# Allegro board A733_PRO2_AXP318_LPDDR4_4X_200BALL_32X1_V1_1.brd (continued)
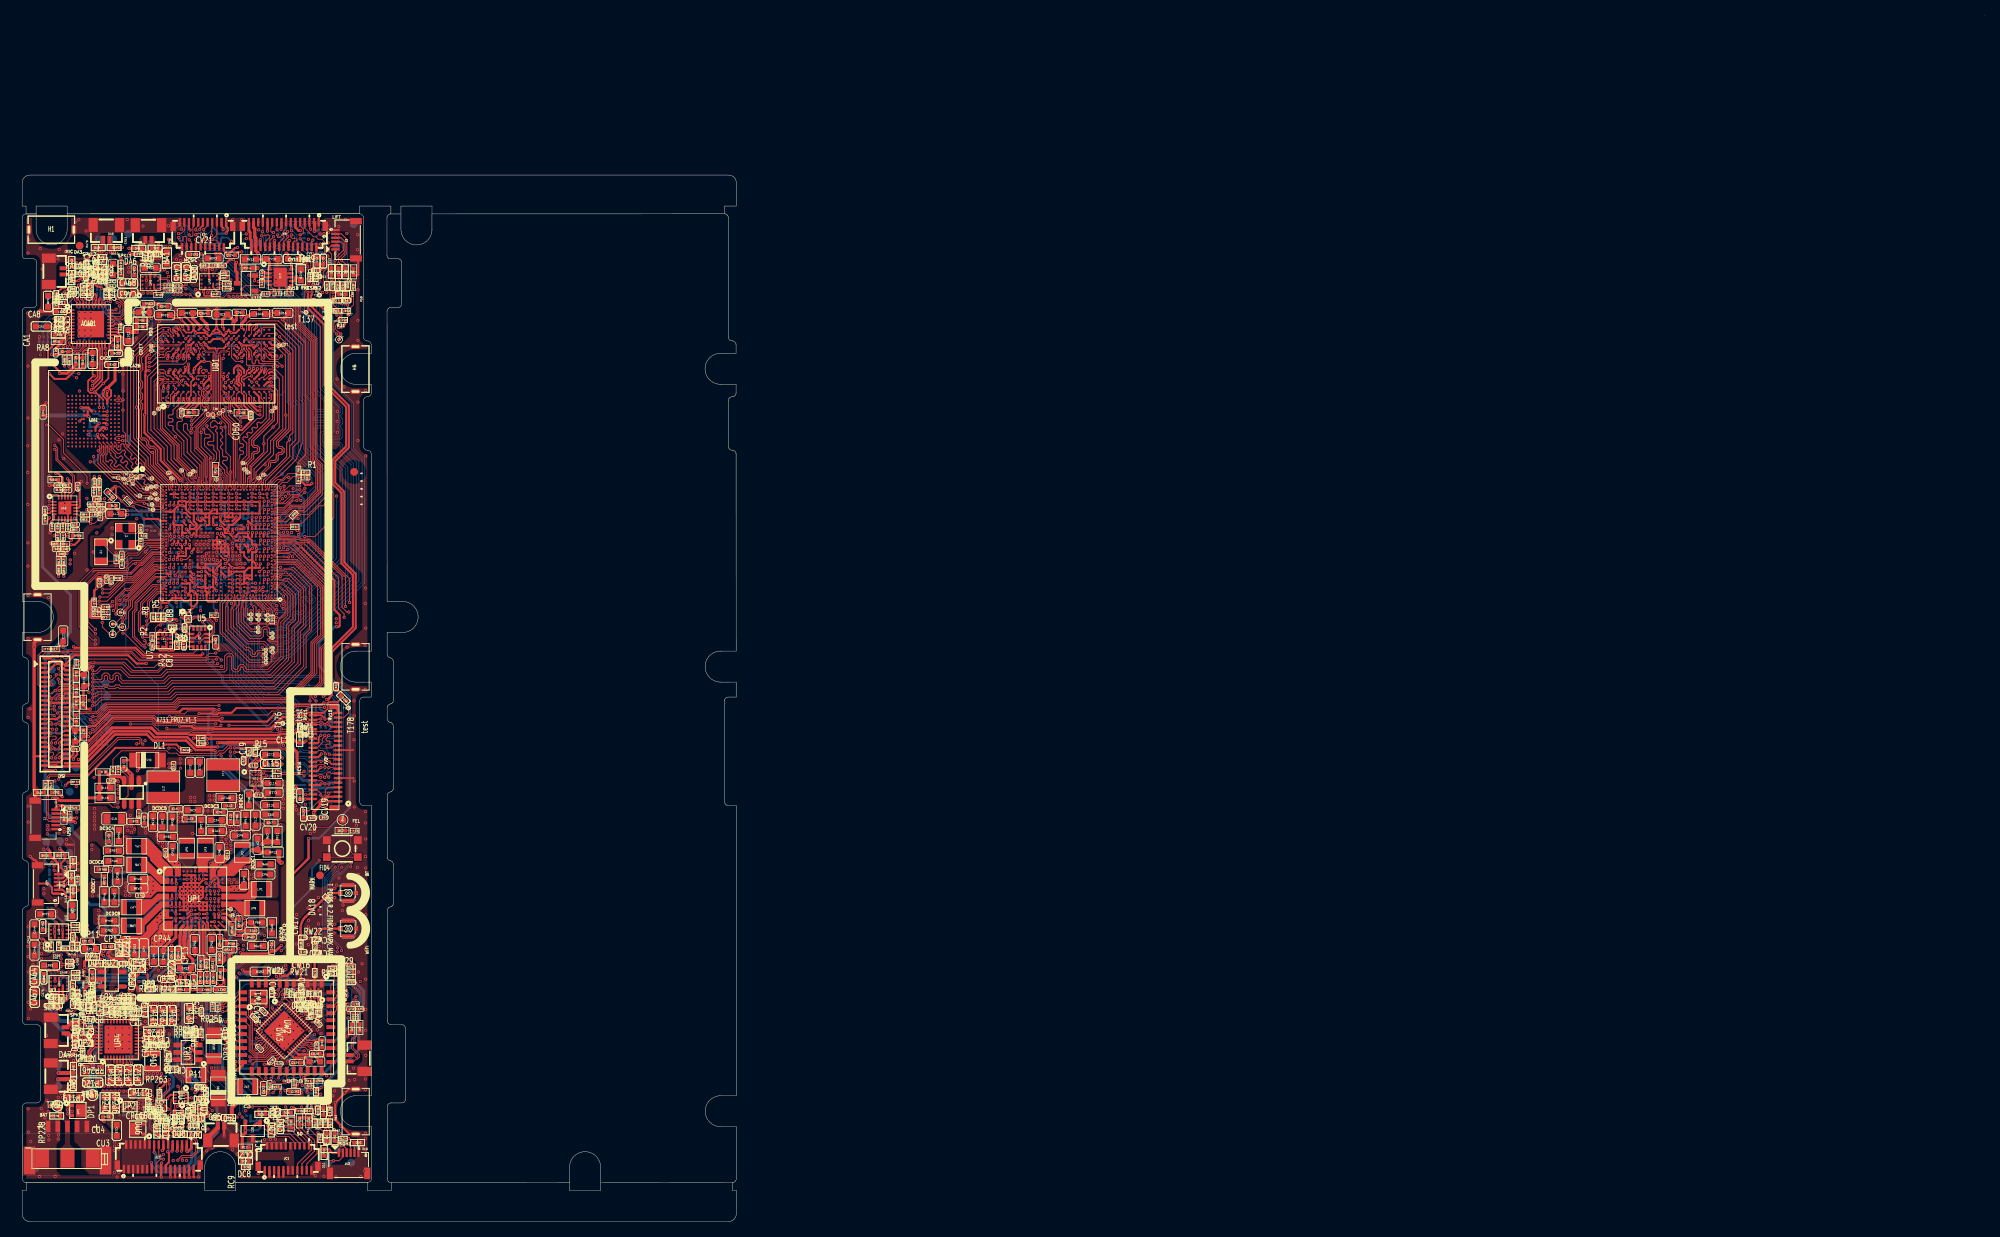
[diagram p0: board, top side]
## Placement (name value [footprint] x y rotation side) (continued)
CV22  NC  [C0201]  25.38 126.28 0 bottom
CV23  2.2uF  [C0201]  24.06 126.33 270 bottom
CV24  4.7uF  [C0402]  27.02 124.67 0 top
CV25  1uF  [C0201]  25.8 127.2 270 bottom
CV26  1uF  [C0201]  26.79 128.14 0 bottom
CW1  NC  [C0201]  37.46 26.47 0 top
CW2  1.5pF  [C0201]  36.96 28.18 180 top
CW5  NC  [C0201]  38.16 25.55 135 top
CW6  0.5pF  [C0201]  38.08 27.88 0 top
CW7  1uF  [C0201]  39.53 27.24 0 bottom
CW8  1uF  [C0201]  39.52 26.58 0 bottom
CW9  4.7uF  [C0402]  38.67 22.95 270 top
CW10  1uF  [C0201]  39.11 23.66 90 bottom
CW11  1uF  [C0201]  32.18 29.58 270 top
CW12  1uF  [C0201]  37.95 22.59 270 top
CW13  1uF  [C0201]  31.14 27.1 315 top
CW15  NC/5.6pF  [C0201]  26.17 24.15 90 top
CW16  NC  [C0201]  36.16 34.78 180 top
CW17  NC  [C0201]  36.16 36.65 180 top
CW19  10uF  [C0603]  30.69 32.23 180 top
CW20  NC  [C0201]  37.96 34.7 180 top
CW21  NC  [C0201]  37.96 36.41 180 top
CW22  4.7uF  [C0402]  35.01 16.76 180 top
CW23  NC/4.7uF  [C0402]  31.12 17.17 90 top
CW24  4.7uF  [C0402]  35.4 20.5 0 top
CW25  1uF  [C0201]  33.07 20.35 180 top
CW26  1uF  [C0201]  29.93 26.3 135 top
CW27  1uF  [C0201]  30.61 22.35 315 top
CW28  1uF  [C0201]  32.15 20.73 45 top
CW29  4.7uF  [C0402]  37.94 21.64 0 top
CW30  NC  [C0201]  35.67 27.98 180 top
CW31  1pF  [C0201]  35.67 29.22 0 top
CW32  10pF  [C0201]  35.92 30.1 270 top
D1  PT2C051N  [ESD0402]  41.31 119.63 0 top
D2  PT2C051N  [ESD0402]  40.81 122.56 90 top
D3  PT2C051N  [ESD0402]  41.65 122.53 90 top
D4  PT2C051N  [ESD0402]  42.71 122.52 90 top
D5  PT2C051N  [ESD0402]  39.87 122.6 90 top
D6  XBS104S14  [SOD180_270H110]  25.27 17.2 270 top
D7  PT2C051N  [ESD0402]  38.84 14.18 270 top
D8  PT2C051N  [ESD0402]  39.29 10.84 270 top
D9  PT2C051N  [ESD0402]  40.3 10.83 270 top
D10  PT2C051N  [ESD0402]  43.22 10.17 180 top
D11  PT2C051N  [ESD0402]  38.93 8.92 270 top
D12  PT2C051N  [ESD0402]  41.24 50.43 0 top
DA1  ESD5451X-2/TR/NC  [ESD0402]  43.53 25.04 90 top
DA2  ESD5451X-2/TR/NC  [ESD0402]  42.49 25.03 90 top
DA3  ESD5451X-2/TR  [ESD0402]  6.4 123.61 270 top
DA4  ESD5451X-2/TR  [ESD0402]  6.4 121.76 90 top
DA5  PT2C051N  [ESD0402]  17.14 125.56 180 top
DA6  PT2C051N  [ESD0402]  15.04 125.55 0 top
DA7  PT2C051N  [ESD0402]  6.62 19.64 270 top
DA8  PT2C051N  [ESD0402]  6.62 17.76 90 top
DA9  PT2C051N  [ESD0402]  9.8 125.65 0 top
DA10  PT2C051N  [ESD0402]  11.85 125.66 180 top
DA11  PT2C051N  [ESD0402]  6.92 25.26 90 top
DA12  PT2C051N  [ESD0402]  6.87 23.31 90 top
DA13  ESD5451X-2/TR  [ESD0402]  6.58 46.2 270 top
DA14  ESD5451X-2/TR  [ESD0402]  6.36 44.32 270 top
DA15  ESD5451X-2/TR  [ESD0402]  3.17 47.22 0 top
DA16  ESD5451X-2/TR  [ESD0402]  6.6 42.4 270 top
DA17  ESD5451X-2/TR  [ESD0402]  5.09 47.22 0 top
DA18  PESDEC2XD5VBF  [ESD0201]  39.28 41.7 135 top
DC1  NC/PT2C051N  [ESD0402]  34.68 12.56 270 top
DC2  PT2C051U  [ESD0402]  36.96 12.98 270 top
DC3  PT2C051U  [ESD0402]  33.26 12.24 270 top
DC4  PT2C051N  [ESD0402]  35.77 12.97 270 top
DC5  PT2C051N  [ESD0402]  30.91 13.83 0 top
DC6  PT2C051N  [ESD0402]  34.23 14.03 0 top
DC7  PT2C051U  [ESD0402]  32.11 11.81 270 top
DC8  PT2C051U  [ESD0402]  28.78 7.8 0 top
DL1  DSK24  [SOD180_270H110]  16.16 59.54 180 top
DL2  PT2C051N  [ESD0402]  7.91 67 90 top
DL3  PT2C051N  [ESD0402]  6.97 66.75 270 top
DL4  PT2C051N  [ESD0402]  6.99 64.89 90 top
DL5  PT2C051N  [ESD0402]  6.99 70.48 270 top
DL6  PT2C051N  [ESD0402]  6.99 68.63 90 top
DL7  PT2C051N  [ESD0402]  7.92 63 270 top
DP1  PTVSHC3N4V5B  [DFN3P130B200_200H65]  7.18 14.33 90 top
DP2  LED-0402-G/NC  [LED0402]  8.24 23 0 top
DP3  DSK24  [SOD180_270H110]  24.72 22.68 90 top
DU1  PT2C051N  [ESD0402]  5.39 52.16 90 top
DU2  PT2C051U  [ESD0402]  4.27 55.34 180 top
DU3  PT2C051U  [ESD0402]  2.36 55.34 0 top
DU4  PT2C051N  [ESD0402]  9.49 33.26 0 top
DU6  PTVSHC3N18VU  [DFN3P130B200_200H65]  14.91 11.93 270 top
DU7  PT2C051N  [ESD0402]  22.21 11.24 180 top
DU8  PT2C051N  [ESD0402]  20.35 11.24 0 top
DU9  PT2C051N  [ESD0402]  23.07 15.71 0 top
DU10  PT2C051N  [ESD0402]  22.65 13.25 0 top
DU11  PT2C051N  [ESD0402]  18.5 11.68 270 top
DU12  PT2C051N  [ESD0402]  17.37 11.67 270 top
FID1  MARK  [FIDICALMARK]  13.67 127.43 270 bottom
FID2  MARK  [FIDICALMARK]  6.75 18.68 270 bottom
FID3  MARK  [FIDICALMARK]  42.43 7.61 270 bottom
FID4  MARK  [FIDICALMARK]  38.4 44.67 270 top
H1  HOLE-C9  [KEZI]  3.77 127.97 180 top
H2  HOLE-C9  [KEZI]  43 14.18 270 top
H3  HOLE-C9  [KEZI]  1.98 77.97 90 top
H4  HOLE-C9  [KEZI]  42.98 71.56 90 top
H5  HOLE-C9  [KEZI]  42.97 109.98 270 top
J1  -  [FPC6-0_3-2_5X4_5H1_0L]  2.92 51.9 270 top
J2  CON6  [FPC6-0_3-2_5X4_5H1_0L]  41.79 126.66 90 top
J3  CON5  [CA0103021-R]  39.48 103.08 90 top
J4  CON5  [CA0103021-R]  1.7 85.18 90 top
J5  CON5  [CA0103021-R]  30.45 33.84 180 top
J6  CON5  [CA0103021-R]  18.25 28.87 180 top
J7  CON5  [CA0103021-R]  41.17 23.65 90 top
J8  CON5  [CA0103021-R]  34.56 50.56 270 top
J9  CON5  [CA0103021-R]  23.19 118.55 0 top
J10  CON5  [CA0103021-R]  8 48.76 90 top
J11  MOTOR AC  [WF_080_2P]  25.64 12.35 0 top
J12  CON6  [FPC6-0_3-2_5X4_5H1_0L]  42.09 7.46 0 top
J13  CON5  [CA0103021-R]  32.81 15.61 0 top
J14  CON5  [CA0103021-R]  1.7 107.55 270 top
JA1  MIC/NC  [WF_080_2P]  42.23 21.06 90 top
JA2  MIC  [WF_080_2P]  5.33 122.59 270 top
JA3  SPK  [WF_080_2P]  16.28 126.66 180 top
JA4  SPK  [WF_080_2P]  5.6 18.76 270 top
JA5  SPK  [WF_080_2P]  10.86 126.68 180 top
JA6  SPK  [WF_080_2P]  5.59 24.66 270 top
JA7  -  [FPC6-0_3-2_5X4_5H1_0L]  3.24 43.56 270 top
JC1  FPC-21P-0.3MM  [FH26-21S]  36.98 8.3 0 top
JL1  CON45PIN_LCM  [45PIN_UD_FPC_863]  2.83 72.03 270 top
JP1  5P_1.25MM  [CON-R5S-P1_3-H1_5-R]  5.84 12.26 270 top
JP2  NC/J_BAT_TS  [BAT_SMD-3]  5.83 8.1 180 top
JU1  CON31  [FH26-31S]  17.61 8.46 0 top
JV1  HEADER 31_0  [FH26-31S]  33.73 127.23 180 top
JV2  FPC-39P-0.3MM  [PFC41P60B13500_350H100]  39.06 59.92 90 top
JV3  FPC-21P-0.3MM  [FH26-21S]  20.61 127.23 180 top
JW1  ANT-IPX  [RF-CD-ARF003-P01A-PAD10]  42 42.39 270 top
JW2  ANT-IPX  [RF-CD-ARF003-P01A-PAD10]  42.02 37.8 270 top
K1  UPDATA  [KEY_3X3]  41.28 48.11 180 top
LL1  4.7uH@2A DCR<0.1R  [LP400_400H180]  25.92 57.59 270 top
LL2  10uH@1A DCR<0.1R  [LP400_400H180]  18.19 56.03 90 top
LP1  1uH-4A  [LP200_250H100]  30.84 42.87 0 top
LP2  1uH-5A  [LP200_250H100]  28.38 47.61 90 top
LP3  0.47uH-5A  [LP200_250H100]  23.63 48.17 90 top
LP4  0.47uH-5A  [LP200_250H100]  14.75 48.42 180 top
LP5  0.47uH-5A  [LP200_250H100]  21.22 48.15 90 top
LP6  1uH-4A  [LP200_250H100]  14.76 46.01 180 top
LP7  1uH-4A  [LP200_250H100]  14.12 40.56 180 top
LP8  1uH-4A  [LP200_250H100]  14.1 38.15 180 top
LP9  1uH-4A  [LP200_250H100]  29.98 40.44 0 top
LP10  1uH-3A/1uH-5A  [LP200_250H100]  16.81 20.71 270 top
LP11  4.7uH-2A  [LP200_250H100]  22.41 18.9 0 top
LU1  NC/CMF0806UD900MFR  [LC4B120_200H120]  20.15 13.2 270 top
LW1  4.7uH  [L0603]  37.73 20.64 180 top
LW2  NC/2.2uH  [LP200_250H100]  29.07 17.4 0 top
LW3  1.4nH  [L0201]  39.5 25.86 0 bottom
LW4  1.2nH  [L0201]  36.25 27.35 0 top
LW5  1.5nH  [L0201]  35.67 28.61 180 top
NOREF  -  [#2]  1.8 130 0 top
NOREF#2  -  [#2]  -4.19 9.8 0 top
NOREF#3  -  [#2]  8.51 9.8 270 top
QC1  STS2301  [SOT3P95B130_290H103]  29.72 11.68 270 top
QV1  SI2300  [SOT23]  28.85 121.05 90 top
R1  NC/47K-1%  [R0201]  36.55 96.65 0 top
R2  NC/10K-1%  [R0201]  17.55 77.95 90 top
R3  NC/47K-1%  [R0201]  36.55 95.99 180 top
R4  NC/1K-1%  [R0201]  35.62 95.76 90 top
R5  10K-1%  [R0201]  18.23 77.95 90 top
R6  NC/1K-1%  [R0201]  35.62 96.9 270 top
R7  NC-1%  [R0201]  17.97 78.43 270 bottom
R8  NC/10K-1%  [R0201]  16.89 77.96 90 top
R9  3.9K-1%  [R0201]  18.63 78.45 270 bottom
R10  NC-1%  [R0201]  18.36 82.22 90 bottom
R11  0R  [R0201]  19.67 82.84 180 bottom
R12  10K-1%  [R0201]  18.35 83.37 90 bottom
R13  NC-1%  [R0201]  19.25 83.69 0 bottom
R14  200R-1%  [R0201]  20.47 80.22 90 bottom
R15  NC/1K  [R0201]  18.24 91.38 270 bottom
R17  0R  [R0201]  20.45 89.72 180 bottom
R18  10M  [R0201]  12.14 85.44 270 top
R19  0R  [R0201]  15.54 88.48 180 top
R21  NC  [R0201]  10.76 77.98 0 top
R22  0R  [R0201]  10.78 78.64 0 top
R23  NC  [R0201]  9.29 79.89 270 top
R24  0R  [R0201]  9.56 78.34 0 top
R25  NC/5.6K-1%  [R0201]  40.64 120.68 90 top
R26  NC/10K-1%  [R0201]  41.31 120.68 90 top
R27  10K-1%  [R0201]  40.61 118.81 0 top
R28  1K  [R0201]  42.68 120.68 90 top
R29  1K  [R0201]  39.28 120.71 90 top
R30  NC/10K  [R0201]  35 90.96 90 bottom
R31  NC/10K  [R0201]  41.4 116.32 180 top
R32  NC/10K  [R0201]  35.96 90.08 90 bottom
R33  NC/10K  [R0201]  33.69 90.18 180 bottom
R34  1K  [R0201]  42.89 50.43 180 top
R36  0R  [R0201]  20.69 75.27 0 top
R37  0R  [R0201]  23.1 76.78 180 bottom
R38  2K  [R0201]  38.5 63.5 270 bottom
R39  2K  [R0201]  39.15 63.49 270 bottom
R40  2.2R  [R0402]  26.6 13.4 180 top
R42  NC/0R  [R0201]  19.93 74.34 270 top
R43  4.7K  [R0201]  19.39 76.64 180 top
R44  NC/10K  [R0201]  18.48 77.14 0 bottom
R46  0R  [R0201]  16.78 75.47 90 top
R48  200R-1%  [R0201]  21.1 80.24 90 bottom
R49  10K-1%  [R0201]  37.88 16.75 270 top
R50  NC/5.6K-1%  [R0201]  38.43 12.67 270 top
R51  NC/10K-1%  [R0201]  39.11 12.68 270 top
R52  1K  [R0201]  41.35 10.69 0 top
R53  1K  [R0201]  38.44 10.73 270 top
R57  1K  [R0201]  39.98 120.7 270 top
R58  1K  [R0201]  42.02 120.68 270 top
R59  10K  [R0201]  41.81 117.48 180 top
R60  10K  [R0201]  40.64 117.51 0 top
R61  1K  [R0201]  37.73 12.67 90 top
R62  1K  [R0201]  39.73 12.68 90 top
R63  10K  [R0201]  39.64 14.2 270 top
R64  10K  [R0201]  36.94 14.25 0 top
R66  NC/3.01K-1%  [R0201]  22.66 81.17 90 bottom
R67  200R-1%  [R0201]  20.23 79.29 180 bottom
R68  NC/3.01K-1%  [R0201]  23.54 80.71 180 bottom
R70  75R  [R0201]  16.07 91.45 90 bottom
R71  75R  [R0201]  16.75 91.45 90 bottom
R72  0R  [R0201]  21.74 83.62 270 bottom
R73  NC  [R0201]  24.62 83.46 90 bottom
R74  0R  [R0201]  24.72 78.22 0 top
R75  0R  [R0201]  25.38 82.94 225 bottom
RA1  0R  [R0201]  33.68 89.47 180 bottom
RA2  0R  [R0201]  34.91 93.8 270 bottom
RA3  0R  [R0201]  32.68 94.3 180 bottom
RA4  0R  [R0201]  32.68 93.69 180 bottom
RA5  1K  [R0201]  4.39 119.54 90 top
RA6  220K/NC  [C0201]  7.39 113.48 270 bottom
RA7  1.5K  [R0201]  5.3 119.28 0 top
RA8  0R/4.7uF  [R0402]  4.65 114.41 180 top
RA9  0R/NC  [R0402]  7.81 111.01 90 top
RA10  NC/0R  [R0402]  6.91 111.01 270 top
RA11  1.5K  [R0201]  5.3 118.62 0 top
RA12  NC/47K  [R0201]  9.66 119.97 90 bottom
RA13  1K  [R0201]  4.41 118.36 270 top
RA14  NC/1M  [R0201]  9.91 120.9 180 bottom
RA15  0R/NC  [R0402]  12.32 113.34 90 top
RA16  0R/NC  [R0402]  4.65 113.56 0 top
RA17  NC/10K  [R0201]  8.95 119.97 90 bottom
RA18  0R/NC  [R0402]  7.95 120.1 270 top
RA19  1K  [R0201]  12.73 123.49 90 top
RA20  NC/0R  [R0201]  8.28 119.94 90 bottom
RA21  1.5K  [R0201]  10.36 123.17 180 top
RA23  1.5K  [R0201]  10.36 122.56 180 top
RA25  1K  [R0201]  12.74 122.35 270 top
RA26  0R  [R0201]  4.78 115.16 180 top
RA27  2K  [R0201]  10.85 119.77 90 bottom
RA28  2K  [R0201]  11.58 119.77 90 bottom
RA29  2K  [R0201]  12.71 115.23 270 top
RA30  2K  [R0201]  4.85 117.29 0 bottom
RA31  1K  [R0201]  2.7 115.09 270 bottom
RA32  1K  [R0201]  3.37 115.09 270 bottom
RA33  NC/100K  [R0201]  3.21 47.55 180 bottom
RA34  22R  [R0201]  4.97 44.55 0 bottom
RA35  22R  [R0201]  3.51 44.45 90 bottom
RA36  0R/NC  [R0201]  5.09 46.52 0 bottom
RA39  47K  [R0201]  3.55 39.19 0 bottom
RA40  47K  [R0201]  24.98 119.66 0 top
RA41  0R  [R0201]  7.12 35.48 90 top
RA42  0R  [R0201]  26.37 121 180 top
RA43  0R  [R0201]  4.72 35.51 270 top
RA44  0R  [R0201]  16.61 124.47 90 top
RA45  0R  [R0201]  6.46 35.5 90 top
RA46  0R  [R0201]  26.37 120.36 180 top
RA47  0R  [R0201]  15.84 124.55 90 top
RA48  0R  [R0201]  3.73 35.51 270 top
RA49  47K  [R0201]  17.52 119.54 180 top
RA50  47K  [R0201]  4.95 31.37 270 bottom
RA51  0R  [R0201]  7.14 29.32 90 top
RA52  0R  [R0201]  4.4 28.74 270 top
RA53  0R  [R0201]  18.84 120.77 180 top
RA54  0R  [R0201]  11.37 124.23 90 bottom
RA55  0R  [R0201]  6.48 29.34 90 top
RA56  0R  [R0201]  3.75 28.75 270 top
RA57  0R  [R0201]  18.84 120.13 180 top
RA58  0R  [R0201]  10.45 124.28 90 bottom
RA59  0R  [R0402]  6.95 88.5 180 top
RA60  0R  [R0402]  4.22 95.71 0 top
RA61  2K-1%  [R0201]  5.54 87.42 0 top
RA62  20K-1%  [R0201]  5.36 85.24 90 top
RA63  20K-1%  [R0201]  4.69 85.24 90 top
RA64  51K  [R0201]  2.93 90.53 270 top
RA65  2K-1%  [R0201]  4.37 87.45 0 top
RA66  2K-1%  [R0201]  10.21 92.56 0 top
RA67  20K-1%  [R0201]  9.93 94.15 270 top
RA68  20K-1%  [R0201]  9.25 94.15 270 top
RA69  2K-1%  [R0201]  9 92.53 0 top
RA72  0R  [R0201]  4.73 41.68 0 bottom
RA73  0R  [R0201]  4.59 47.24 0 bottom
RA74  0R  [R0201]  3.2 46.85 0 bottom
RA75  0R  [R0201]  4.99 45.83 0 bottom
RA76  0R  [R0201]  7.13 43.97 270 top
RA77  0R  [R0201]  10.35 123.81 0 top
RA78  0R  [R0201]  10.36 121.92 0 top
RA79  NC/0R  [R0201]  10.35 124.44 0 top
RA80  NC/0R  [R0201]  10.36 121.28 0 top
RA81  0R/NC  [R0201]  5.26 89.54 270 top
RA82  0R/NC  [R0201]  4.56 89.54 270 top
RA83  0R/NC  [R0201]  8.11 90.56 0 top
RA84  0R/NC  [R0201]  8.11 91.22 0 top
RA85  NC/0R  [R0201]  5.11 114.79 90 bottom
RA86  NC/0R  [R0201]  4.44 114.79 90 bottom
RA87  NC  [R0201]  6.11 111.16 90 top
RA88  NC  [R0201]  5.46 111.15 90 top
RA89  47K  [R0201]  23.52 123.34 0 top
RA90  1K  [R0201]  26.14 122.34 0 top
RA91  1K  [R0201]  26.14 121.73 0 top
RA92  47K  [R0201]  16.35 122.91 180 bottom
RA93  0R  [R0201]  6.85 37.6 180 top
RA94  0R  [R0201]  6.85 38.26 180 top
RA95  47K  [R0201]  5.2 38.53 270 bottom
RA96  0R  [R0201]  6.88 31.44 180 top
RA97  0R  [R0201]  6.88 32.1 180 top
RA98  47K  [R0201]  5.09 28.73 90 top
RA99  33R  [R0201]  35.01 91.18 225 top
RA100  33R  [R0201]  43.26 26.53 90 top
RA101  33R  [R0201]  42.65 26.53 90 top
RA102  33R  [R0201]  7.36 123.21 0 top
RA103  33R  [R0201]  7.36 122.2 0 top
RC1  33R  [R0201]  35.14 89.62 0 top
RC2  NC/2.2R  [R0402]  28.81 9.59 0 top
RC3  NC/47K  [R0201]  32.95 14.01 90 top
RC4  NC/10K  [R0201]  35.77 14.25 180 top
RC5  100K  [R0201]  30.5 13.61 180 bottom
RC6  1K  [R0201]  32.27 14.01 270 top
RC7  1K  [R0201]  29.19 13.65 0 bottom
RC8  10K  [R0201]  29.19 12.94 180 bottom
RC9  10K  [R0201]  28.85 7.01 180 top
RD1  0R  [R0402]  21.79 104.37 0 top
RD2  0R  [R0402]  28.22 104.34 180 top
RD3  240R-1%  [R0402]  15.21 115.47 180 top
RD4  240R-1%  [R0402]  15.21 116.28 180 top
RD5  120R-1%  [R0402]  24.91 97.03 90 top
RL5  100K  [R0201]  29.21 60.63 90 top
RL7  100K  [R0201]  30.06 60.59 270 top
RL8  0R  [R0201]  11.7 58.19 270 top
RL9  0R  [R0402]  10.38 58 180 top
RL11  4.42R-1%  [R0603]  10.68 55.95 0 top
RL13  1M  [R0201]  12.36 58.2 270 top
RL15  0R  [R0201]  32.84 57.48 0 top
RL16  4.42R-1%  [R0603]  10.69 54.66 0 top
RL17  0R  [R0201]  32.84 58.1 0 top
RL18  NC/15K-1%  [R0201]  9.63 61.8 270 bottom
RL19  NC/12K-1%  [R0201]  6.7 63.55 180 bottom
RL20  NC/12K-1%  [R0201]  7.89 63.14 0 bottom
RL21  NC/12K-1%  [R0201]  6.74 65.39 180 bottom
RL22  NC/15K-1%  [R0201]  5.57 64.77 0 bottom
RL23  NC/15K-1%  [R0201]  6.5 64.48 270 bottom
RL24  NC  [R0201]  5.58 73.52 0 bottom
RL25  NC  [R0201]  6.87 71.73 90 bottom
RL26  NC  [R0201]  6.7 73.15 180 bottom
RL27  NC  [R0201]  4.3 73.87 0 top
RL30  0R  [R0201]  5.89 71.18 180 bottom
RL31  0R  [R0201]  5.89 72.44 180 bottom
RL32  NC  [R0201]  5.89 71.8 180 bottom
RL33  NC  [R0201]  5.89 70.53 180 bottom
RL34  2K  [R0201]  5.6 67.84 180 bottom
RL35  2K  [R0201]  5.6 67.23 180 bottom
RL36  NC  [R0201]  3.69 68.05 225 bottom
RL37  NC  [R0201]  5.39 68.83 90 bottom
RL38  NC  [R0201]  10.95 61.8 90 bottom
RL42  NC/15K-1%  [R0201]  10.27 61.8 270 bottom
RL43  NC/12K-1%  [R0201]  7.84 64.85 0 bottom
RL44  0R  [R0201]  3.12 73.87 180 top
RL45  0R  [R0201]  6.99 71.93 270 top
RL47  15K-1%  [R0201]  3.94 72.77 315 bottom
RL48  12K-1%  [R0201]  4.97 72.11 270 bottom
RM1  33R  [R0201]  13.67 92.99 135 top
RM2  0R  [R0201]  9.23 104.43 270 bottom
RM3  0R  [R0201]  10.05 98.87 0 bottom
RM4  NC/10K  [R0201]  11.04 105.45 90 bottom
RM5  NC/10K  [R0201]  10.14 105.66 180 bottom
RM6  NC/10K  [R0201]  9.34 103.29 270 bottom
RM9  NC/200R-1%  [R0201]  19.31 89.72 180 bottom
RP2  NC  [R0201]  23.03 62.39 180 top
RP3  10K  [R0201]  8.86 28.6 0 top
RP4  0.01R-1%  [R0402]  9.09 34.14 0 top
RP5  0R  [R0201]  9.22 27.74 90 top
RP6  0.01R-1%  [R0603]  31.34 46.1 180 top
RP7  NC  [R0201]  6.84 56.7 0 top
RP8  NC/10K  [R0201]  8.85 29.27 0 top
RP9  2.2K  [R0201]  16.45 30.62 0 top
RP10  2.2K  [R0201]  16.45 29.93 0 top
RP11  0.01R-1%  [R0603]  32.91 49.67 90 top
RP13  0.01R-1%  [R0603]  32.36 47.62 0 top
RP14  0.01R-1%  [R0603]  28.82 51.76 90 top
RP15  0.01R-1%  [R0402]  10.24 45.44 180 top
RP17  0.01R-1%  [R0603]  23.08 51.1 90 top
RP19  0.01R-1%  [R0201]  8.47 25.22 180 top
RP20  NC  [R0402]  10.59 44.12 90 top
RP21  NC  [R0201]  19.62 43.09 0 bottom
RP22  0.01R-1%  [R0402]  19.3 32.65 90 top
RP23  0.01R-1%  [R0402]  15.02 32.55 0 top
RP24  0.01R-1%  [R0603]  12.48 49.81 90 top
RP28  NC  [R0402]  12.48 35.09 270 top
RP29  0.01R-1%  [R0402]  23.03 33.43 90 top
RP30  0.01R-1%  [R0603]  19.38 51.53 90 top
RP32  0.01R-1%  [R0201]  23.79 33.27 90 top
RP33  0.01R-1%  [R0402]  24.57 33.34 90 top
RP36  0.01R-1%  [R0402]  26.78 35.85 180 top
RP38  0.01R-1%  [R0402]  25.55 32.02 90 top
RP39  0.01R-1%  [R0201]  21.01 60.83 180 top
RP41  0.01R-1%  [R0603]  11.81 46.52 180 top
RP42  NC  [R0402]  23.45 29.92 180 top
RP45  0.01R-1%  [R0603]  10.6 41.88 90 top
RP49  NC  [R0603]  11.2 38.82 180 top
RP50  0.01R-1%  [R0201]  23.03 61.7 180 top
RP53  0.01R-1%  [R0402]  20.73 29.91 0 top
RP54  0.01R-1%  [R0603]  32.2 37.9 270 top
RP55  NC  [R0201]  26.88 42.14 180 bottom
RP56  0.01R-1%  [R0402]  27.06 37.85 90 top
RP57  NC  [R0201]  23.52 43.01 180 bottom
RP127  0.01R-1%  [R0603]  26.3 54.65 180 top
RP220  0.01R  [R0402]  13.37 35.1 270 top
RP225  0R  [R0201]  12.81 13.7 0 bottom
RP228  NC/10K  [R0402]  4.45 13.63 0 top
RP234  10K  [R0201]  14.27 14.96 180 bottom
RP236  NC/0.01R  [R0603]  11.93 15.3 270 top
RP237  NC  [R0201]  14.02 13.73 0 bottom
RP240  NC/0.01R  [R0603]  10.65 15.31 270 top
RP242  0.01R-1%  [R0402]  18.83 29.88 0 top
RP243  0R  [R0201]  8.74 26.16 180 top
RP244  0R  [R0201]  7.87 27.73 90 top
RP245  2K  [R0201]  7.79 21.75 90 top
RP246  0.01R-1%-0805  [RA6P45B125_200H60]  9.15 19.6 180 top
RP247  0R  [R0201]  13.47 21.07 90 bottom
RP248  0R  [R0201]  14.08 21.07 90 bottom
RP249  NC/0R  [R0402]  10.03 27.46 270 top
RP250  NC/0R  [R0201]  18.04 22.73 0 top
RP251  NC/470R  [R0201]  13.62 27.18 270 top
RP252  NC/470R  [R0201]  12.93 27.17 270 top
RP253  NC  [R0603]  16.98 24.5 180 top
RP254  10K  [R0201]  21.33 23.99 0 top
RP255  150K-1%  [R0201]  23.02 24.28 270 top
RP256  20K-1%  [R0201]  22.33 24.29 90 top
RP257  NC  [R0201]  18.9 21.16 90 top
RP258  0R  [R0201]  21.33 24.69 0 top
RP259  NC/0R  [R0201]  18.02 13.56 180 top
RP261  NC/0R  [R0201]  16.47 14.52 180 top
RP263  10K  [R0201]  17.7 16.46 270 top
RP265  0R  [R0201]  11.53 27.23 270 top
RP266  0R  [R0201]  12.17 27.22 270 top
RP267  NC  [R0201]  24.67 44.88 45 bottom
RP268  NC  [R0201]  23.83 45.35 90 bottom
RP269  NC  [R0201]  20.64 44.16 180 bottom
RP270  NC  [R0201]  22.52 45.16 0 bottom
RP271  10K  [R0201]  10.84 119.77 270 top
RP272  10K  [R0201]  11.58 119.77 270 top
RU1  47K  [R0201]  6.12 52.34 90 top
RU2  NC/0R  [R0402]  11.35 33.27 0 top
RU3  5.1R  [R0201]  3.01 56.37 90 top
RU4  5.1R  [R0201]  3.68 56.37 90 top
RU5  1K  [R0201]  6.81 53.4 0 top
RU6  NC  [R0201]  5.63 53.42 180 top
RU7  100K  [R0201]  11.21 28.49 225 top
RU8  6K8-1%  [R0201]  9.1 30.25 90 top
RU9  0R  [R0201]  23.69 16.71 90 top
RU10  0R  [R0201]  22.2 12.4 180 top
RU11  5.1R  [R0201]  19.68 13.18 90 top
RU12  5.1R  [R0201]  20.61 13.2 90 top
RU14  100K  [R0201]  21.4 14.03 270 top
RU15  100K  [R0201]  18.36 12.94 180 top
RU17  0R  [R0201]  14.33 28.65 90 top
RU18  0R  [R0201]  12.5 28.65 90 top
RU34  NC/0R  [R0201]  13.71 28.65 90 top
RU35  NC/0R  [R0201]  13.1 28.65 90 top
RV1  33R  [R0201]  30.96 83.31 0 bottom
RV2  100K  [R0201]  37.85 121.84 90 top
RV3  100K  [R0201]  37.15 121.83 90 top
RV4  100K  [R0201]  39.76 54.72 180 bottom
RV5  NC  [R0201]  37.1 54.25 90 bottom
RV6  100K  [R0201]  38.79 54.27 90 bottom
RV7  2K  [R0201]  36.63 127.51 180 bottom
RV8  2K  [R0201]  36.38 126.62 90 bottom
RV9  0R  [R0402]  35.78 62.2 270 top
RV10  0R  [R0402]  41.42 67.5 135 top
RV11  47K  [R0201]  35.8 63.74 270 top
RV12  10K  [R0201]  37.87 65.72 90 bottom
RV13  0R  [R0603]  29.44 124.14 0 top
RV14  NC/4.7R  [R0402]  29.24 123.02 0 top
RV15  22R  [R0201]  30.91 121.03 270 top
RV16  22R  [R0201]  30.2 119.25 180 top
RV17  91K  [R0201]  34.4 119.72 0 top
RV18  0.22R-1%  [R0603]  35.93 122.15 270 top
RV19  10K  [R0201]  32.89 119.73 180 top
RV20  100K  [R0201]  31.58 120.71 270 bottom
RV21  NC/10K  [R0201]  38.53 65.73 90 bottom
RV22  100K  [R0201]  25.14 127.2 270 bottom
RV23  100K  [R0201]  24.48 128.01 270 bottom
RV24  2K  [R0201]  38.01 56.23 90 bottom
RV25  2K  [R0201]  40.09 56.23 90 bottom
RV26  33R  [R0201]  32.25 77.66 270 top
RW1  33R  [R0201]  32.65 86.51 0 bottom
RW4  100K  [R0201]  37.02 18.16 0 top
RW9  NC/33K  [R0201]  33.92 86.04 45 bottom
RW10  NC/33K  [R0201]  33.5 88.05 0 bottom
RW11  NC/33K  [R0201]  34.45 87.57 90 bottom
RW12  NC/33K  [R0201]  33.49 87.43 0 bottom
RW13  NC/33K  [R0201]  35.15 87.57 90 bottom
RW14  NC/33K  [R0201]  35.3 86.4 45 bottom
RW15  NC/100K  [R0201]  25.22 27.67 90 top
RW17  100K  [R0201]  24.56 27.69 270 top
RW18  0R  [R0201]  35.91 35.75 90 top
RW21  0R  [R0201]  37.71 32.09 90 top
RW22  0R  [R0201]  37.71 35.56 90 top
RW24  NC/10K  [R0201]  32.93 32.28 0 top
RW25  NC/10K  [R0201]  37.02 17.51 180 top
RW26  10K  [R0201]  42.44 32.92 0 top
RW27  10K  [R0201]  42.44 32.23 0 top
RW28  NC/10K  [R0201]  42.44 31.56 0 top
RW29  NC/10K  [R0201]  39.97 32.65 180 top
RW31  NC/10K  [R0201]  42.44 30.86 180 top
RW32  NC/10K  [R0201]  39.97 31.96 0 top
RW33  NC/0R  [R0201]  35.02 17.8 270 top
RW34  NC/0R  [R0201]  31.9 17.63 90 top
RW35  2pF  [R0201]  38.33 26.99 90 top
RW36  1.1nH  [R0201]  37.21 27.32 90 top
RW37  NC/10K  [R0201]  32.85 17.39 0 top
RW38  NC/100K  [R0201]  12.42 83.02 0 top
RW60  NC  [R0201]  34.77 29.45 270 top
RW61  0R  [R0201]  34.09 29.45 270 top
RW62  NC/0R  [R0201]  38.21 18.15 180 top
T1  SATO  [TP30]  25.03 95.76 180 top
T2  SDTO  [TP30]  25.63 91.91 0 bottom
T3  test  [TP30]  17.02 104.28 180 top
T4  test  [TP30]  32.18 104.56 180 top
T5  test  [TP30]  29.58 109.09 0 bottom
T6  test  [TP30]  32.61 105 180 top
T7  test  [TP30]  19.63 93.48 0 bottom
T8  test  [TP30]  20.55 96.91 180 top
T9  test  [TP30]  17.57 104.82 180 top
T10  test  [TP30]  21.09 113.91 0 bottom
T11  test  [TP30]  18.85 96.6 180 top
T12  test  [TP30]  21.61 96.42 180 top
T13  test  [TP30]  18.04 105.13 180 top
T14  test  [TP30]  16.67 112.37 180 top
T15  test  [TP30]  19.22 95.88 180 top
T16  test  [TP30]  22.04 96.77 180 top
T17  test  [TP30]  32.74 114.51 0 bottom
T18  test  [TP30]  16.62 112.97 180 top
T19  test  [TP30]  28.63 92.45 0 bottom
T20  test  [TP30]  30.63 93.46 0 bottom
T21  test  [TP30]  33.65 113.12 180 top
T22  test  [TP30]  22.17 115.53 0 bottom
T23  test  [TP30]  28.63 97.07 180 top
T24  test  [TP30]  31.1 96.33 180 top
T25  test  [TP30]  33.1 113.02 180 top
T26  test  [TP30]  20.84 105.8 0 bottom
T27  test  [TP30]  23.76 113.91 0 bottom
T28  test  [TP30]  28.33 110.96 0 bottom
T29  test  [TP30]  28.47 97.85 180 top
T30  test  [TP30]  23.62 109.04 0 bottom
T31  test  [TP30]  26.97 108.27 0 bottom
T32  test  [TP30]  22.62 92.95 0 bottom
T33  test  [TP30]  22.94 107.51 0 bottom
T34  test  [TP30]  27.69 107.41 0 bottom
T35  test  [TP30]  24.59 104.11 180 top
T36  test  [TP30]  25.45 104.28 180 top
T37  test  [TP30]  30.5 95.92 180 top
T38  test  [TP30]  23.98 104.13 180 top
T39  test  [TP30]  25.91 104.64 180 top
T40  test  [TP30]  29.06 96.65 180 top
T41  test  [TP30]  20.52 85.38 180 bottom
T42  test  [TP30]  21.27 88.38 180 bottom
T43  test  [TP30]  25.17 88.75 180 bottom
T44  test  [TP30]  26.19 85.42 180 bottom
T55  test  [TP30]  26.89 40.28 0 top
T56  test  [TP30]  24.16 40.8 180 bottom
T57  test  [TP30]  24.21 42.29 180 bottom
T58  test  [TP30]  23.7 43.67 180 bottom
T59  test  [TP30]  27.17 39.51 0 top
T60  test  [TP30]  19.78 41.36 180 bottom
T61  test  [TP30]  27.54 82.64 180 bottom
T62  test  [TP30]  27.62 82.08 180 bottom
T64  test  [TP30]  27.12 81.74 180 bottom
T65  test  [TP30]  27.12 81.23 180 bottom
T66  test  [TP30]  29.12 81.23 180 bottom
T67  test  [TP30]  29.12 81.74 180 bottom
T68  test  [TP30]  28.12 81.23 180 bottom
T69  test  [TP30]  28.12 81.74 180 bottom
T70  test  [TP30]  28.12 82.78 180 bottom
T71  test  [TP30]  28.12 83.3 180 bottom
T72  test  [TP30]  31.44 72.14 0 top
T73  test  [TP30]  31.44 72.68 0 top
T74  test  [TP30]  31.42 73.2 0 top
T75  test  [TP30]  31.42 73.74 0 top
T76  test  [TP30]  32.28 75.33 0 top
T77  test  [TP30]  32.28 73.48 0 top
T78  test  [TP30]  32.3 74 0 top
T79  test  [TP30]  32.28 75.86 0 top
T80  test  [TP30]  30.43 76.06 0 top
T81  test  [TP30]  30.43 76.63 0 top
T82  test  [TP30]  29.5 77.7 0 top
T83  test  [TP30]  29.5 78.31 0 top
T84  test  [TP30]  31.64 77.63 0 top
T85  test  [TP30]  30.5 77.68 0 top
T86  test  [TP30]  30.5 78.28 0 top
T87  test  [TP30]  31.64 78.23 0 top
T88  test  [TP30]  14.22 95.55 0 top
T89  test  [TP30]  14.68 96.09 0 top
T90  test  [TP30]  15.49 96.99 0 top
T91  test  [TP30]  13.08 95.81 0 top
T92  test  [TP30]  12.39 95.95 0 top
T93  test  [TP30]  14.08 96.21 0 top
T94  test  [TP30]  15.24 96.16 0 top
T95  test  [TP30]  13.65 95.71 0 top
T96  test  [TP30]  9.95 105.03 180 bottom
T97  test  [TP30]  10.48 105 180 bottom
T98  test  [TP30]  10.94 104.49 180 bottom
T99  test  [TP30]  9.9 103.52 180 bottom
T100  test  [TP30]  16.11 94.55 0 top
T101  test  [TP30]  17.3 94.84 0 top
T102  test  [TP30]  16.72 95.86 0 top
T103  test  [TP30]  16.67 94.8 0 top
T104  test  [TP30]  16.53 93.33 0 top
T105  test  [TP30]  17.42 93.23 0 top
T106  test  [TP30]  17.18 93.89 0 top
T107  test  [TP30]  15.17 93.65 0 top
T108  test  [TP30]  16.76 92.51 0 top
T109  test  [TP30]  16.88 91.85 0 top
T110  test  [TP30]  19.02 92.41 180 bottom
T111  test  [TP30]  19.58 92.58 180 bottom
T112  TX  [TP30]  34.37 18.12 0 top
T113  RX  [TP30]  35.92 18.12 0 top
T128  TX  [TP30]  30.77 22.94 180 bottom
T129  RX  [TP30]  29.6 22.92 180 bottom
T130  test  [TP30]  34.21 80.43 180 bottom
T131  test  [TP30]  39.86 53.96 180 bottom
T132  test  [TP30]  38.33 119.52 0 top
T133  test  [TP30]  38.41 121.91 0 top
T134  test  [TP30]  28.27 127.34 180 bottom
T135  test  [TP30]  37.63 128.32 180 bottom
T136  test  [TP30]  37.13 125.44 180 bottom
T137  test  [TP30]  36.59 117.3 0 top
T138  test  [TP30]  29.08 125.62 180 bottom
T139  test  [TP30]  36.66 124.21 0 top
T140  test  [TP30]  39.15 116.31 180 bottom
T141  test  [TP30]  40.97 120.29 180 bottom
T142  test  [TP30]  40.99 117.49 180 bottom
T143  test  [TP30]  40.24 113.72 180 bottom
T144  test  [TP30]  33.45 126.7 180 bottom
T145  test  [TP30]  34.92 125.65 180 bottom
T146  test  [TP30]  36.08 119.62 180 bottom
T147  test  [TP30]  35.39 123.2 180 bottom
T148  test  [TP30]  32.78 124 180 bottom
T149  test  [TP30]  31.53 126.62 180 bottom
T150  test  [TP30]  30.6 129.02 180 bottom
T151  test  [TP30]  30.35 124.27 180 bottom
T152  test  [TP30]  30.11 127.15 180 bottom
T153  test  [TP30]  37.98 127.14 180 bottom
T154  test  [TP30]  38.1 52.2 180 bottom
T155  test  [TP30]  37.16 55.33 180 bottom
T156  test  [TP30]  36.08 53.44 180 bottom
T157  test  [TP30]  35.39 55.12 180 bottom
T158  test  [TP30]  39.09 55.41 180 bottom
T159  test  [TP30]  31.91 56.29 180 bottom
T160  test  [TP30]  33.82 58.13 180 bottom
T161  test  [TP30]  40.99 56.86 180 bottom
T162  test  [TP30]  37.33 57.06 180 bottom
T163  test  [TP30]  39.76 61.33 180 bottom
T164  test  [TP30]  40.55 58.93 180 bottom
T165  test  [TP30]  34.58 62.33 180 bottom
T166  test  [TP30]  37.87 58.99 180 bottom
T167  test  [TP30]  35.85 60.59 180 bottom
T168  test  [TP30]  34.03 65.86 180 bottom
T169  test  [TP30]  31.78 68.03 180 bottom
T170  test  [TP30]  36.57 62.83 180 bottom
T171  test  [TP30]  36.98 69.24 180 bottom
T172  test  [TP30]  40.18 67.21 180 bottom
T173  test  [TP30]  36.51 62.87 0 top
T174  test  [TP30]  36.43 63.8 0 top
T175  test  [TP30]  37.88 64.1 180 bottom
T176  test  [TP30]  33.62 64.26 0 top
T177  test  [TP30]  37.16 65.65 180 bottom
T178  test  [TP30]  42.07 66.26 0 top
TP10  JTAG-SEL  [TP50]  32.52 91.39 0 bottom
TP12  PLLTEST  [TP50]  17.76 88.67 90 bottom
TP13  CPU-PLLTEST  [TP50]  17.74 89.98 180 bottom
TP21  SPKL1+  [TP100]  16.63 126.21 180 bottom
TP22  SPKR1+  [TP100]  4.71 20.27 0 bottom
TP23  SPKL1-  [TP100]  14.88 125.78 180 bottom
TP24  SPKR1-  [TP100]  4.66 17.47 0 bottom
TP25  SPKR2+  [TP100]  6.66 25.87 90 bottom
TP26  SPKL2+  [TP100]  11.72 126.8 90 bottom
TP27  SPKR2-  [TP100]  6.79 23.66 180 bottom
TP28  SPKL2-  [TP100]  9.9 126.73 270 bottom
TP29  GND  [TP100]  42.74 128.68 270 bottom
TP30  POWKEY  [TP100]  38.49 124.73 270 bottom
TP31  VOL-  [TP100]  39.69 123.71 180 bottom
TP32  VOL+  [TP100]  40.51 125.73 270 bottom
TP33  RESET-KEY  [TP100]  40.72 122.64 180 bottom
TP34  VCC-3V3  [TP50]  34.92 89.71 45 bottom
TP35  CPUX-TX  [TP50]  32.06 95.39 45 bottom
TP36  CPUX-TDI  [TP50]  34.44 92.58 315 bottom
TP37  CPUX-TMS  [TP50]  40.85 113.79 225 top
TP38  CPUX-RX  [TP50]  32.68 92.7 0 bottom
TP39  CPUX-TCK  [TP50]  35.78 91.99 45 bottom
TP40  CPUX-TDO  [TP50]  32.46 89.86 135 bottom
TP41  GND  [TP50]  33.51 96.42 180 bottom
TP42  GND  [TP50]  33.83 91.39 180 bottom
TP43  CPUS-TX  [TP50]  13 80.89 0 bottom
TP44  CPUS-RX  [TP50]  13.06 79.56 0 bottom
TP45  CPUS-TMS  [TP50]  12.67 78.59 180 top
TP46  CPUS-TCK  [TP50]  11.68 77.08 180 top
TP47  CPUS-TDO  [TP50]  12.91 76.69 0 top
TP48  CPUS-TDI  [TP50]  11.67 75.77 270 top
TP49  UBOOT  [TP100]  41.31 51.83 270 top
TP50  VOL+  [TP100]  39.33 10.32 180 bottom
TP51  VOL-  [TP100]  40.67 9.23 180 bottom
TP52  POWKEY  [TP100]  39.34 7.42 180 bottom
TP53  GND  [TP100]  38.31 12.65 180 bottom
TP54  RESET-KEY  [TP100]  43.1 9.88 180 bottom
TP56  0  [TP100]  27.91 41.05 180 bottom
